# Altium PCB controller_esp8266.PcbDoc
Units mil, origin at the board's own origin, x right, y up, seen from the top; angles counter-clockwise.
Board outline 2755.91 x 1377.95 mil, 2 copper layers (Top Layer, Bottom Layer); 15 components, 17 nets, 72 pads, 0 vias.
Unrouted connection lines stored in the file: 28.
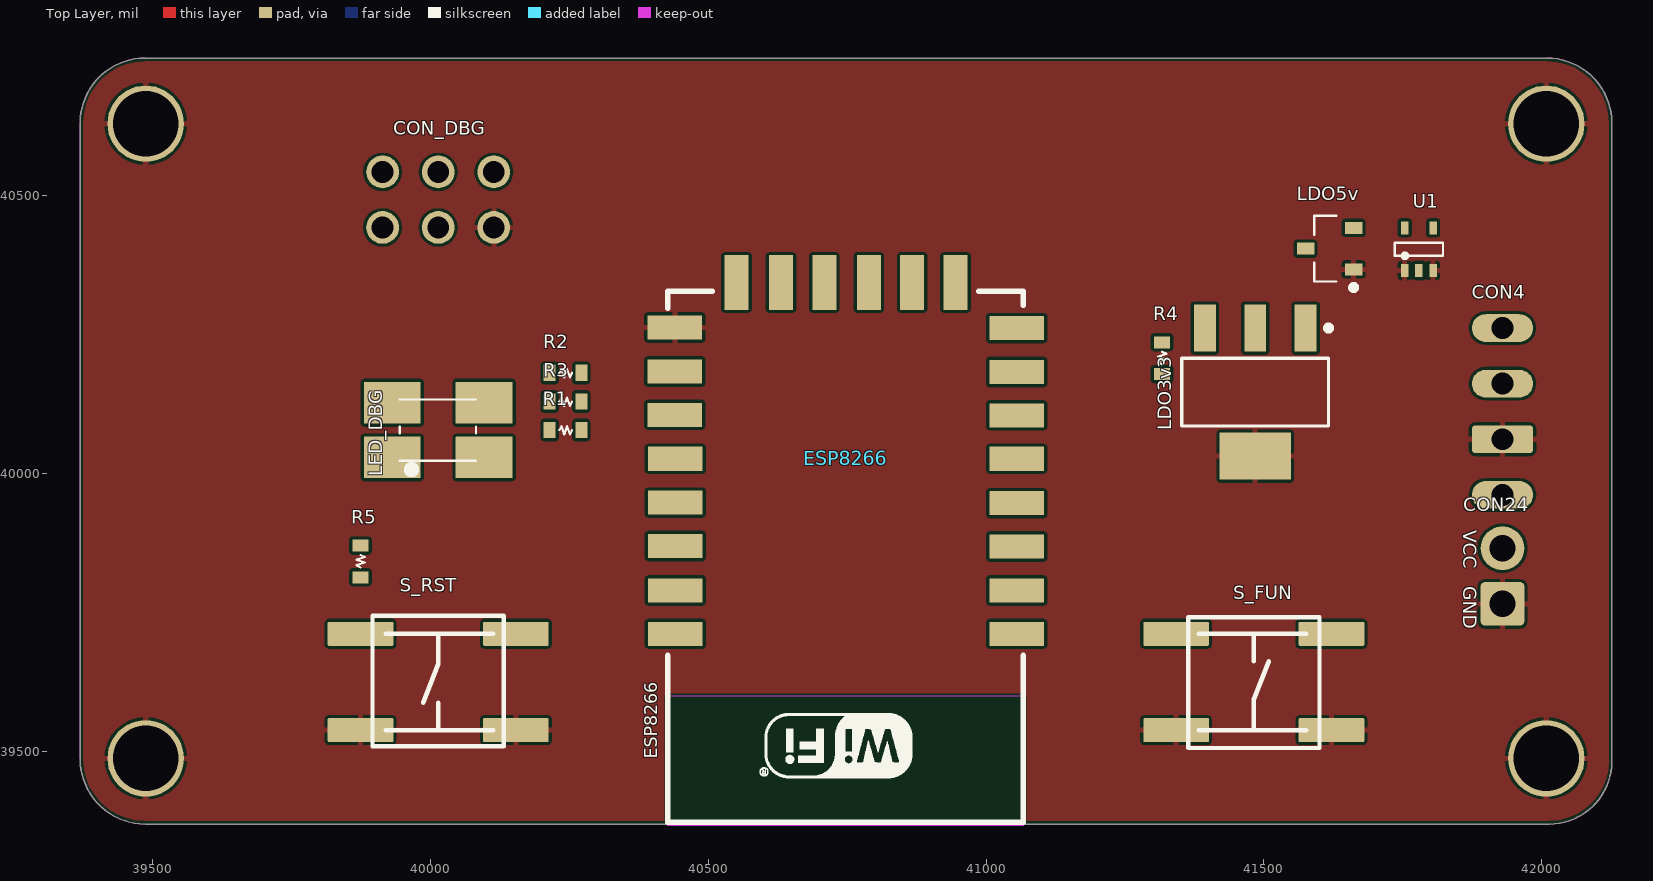
[diagram p0: Top Layer view]
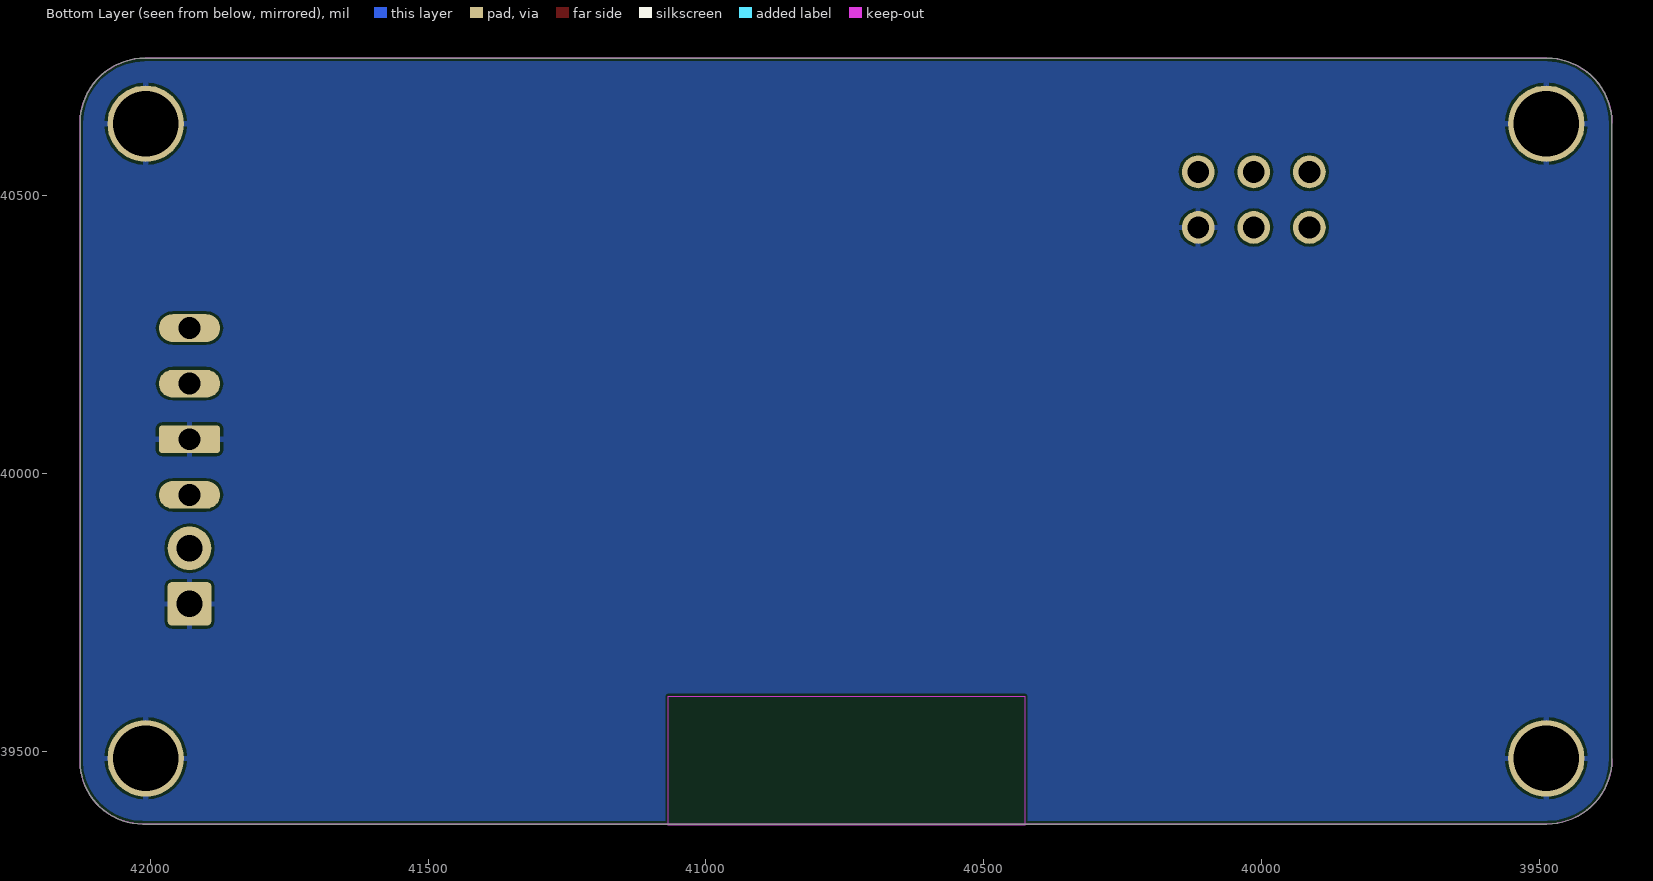
[diagram p1: Bottom Layer view, seen from below]

## Layer stack, top to bottom
Top Solder: solder mask 0.4, Solder Resist, Dk 3.5
Top Layer: signal copper 1.4
Dielectric 1: dielectric 12.6, FR-4, Dk 4.8
Bottom Layer: signal copper 1.4
Bottom Solder: solder mask 0.4, Solder Resist, Dk 3.5

## Board outline
39370.08,39487.19 39370.08,40630.92 cw(c39487.19,40630.92) 39487.19,40748.03 42008.87,40748.03 cw(c42008.87,40630.92) 42125.98,40630.92 42125.98,39482.99 cw(c42013.07,39482.99) 42013.07,39370.08 39487.19,39370.08 cw(c39487.19,39487.19)

## Design rules (kind name [scope] priority, off if disabled: settings)
Clearance [All] p1: gap=5
PlaneClearance [All] p1: clearance=5
PlaneConnect [All] p1: planeconnectstyle=Relief reliefexpansion=20 reliefentries=4 reliefconductorwidth=5 reliefairgap=5
PolygonConnect [All] p1: connectstyle=Relief reliefconductorwidth=10 reliefentries=4 polygonreliefangle="90 Angle" airgapwidth=5
RoutingVias [All] p1: holewidth=28 width=50 viastyle="Through Hole" minholewidth=28 minwidth=50 maxholewidth=28 maxwidth=50
SolderMaskExpansion [All] p1: expansion=4
Width [All] p1: maxlimit=50 minlimit=5 preferedwidth=5
28 further rules are at their usual default settings.

## Components (designator, comment, footprint, x,y, rotation, side; value= is the part's Value field where it differs from the comment)
CON4 "CON4" CONNECTOR 41929.13,40112.27 r90 top
CON24 "CON_PWR" CONPWR 41929.13,39866.14 r270 top
CON_DBG "CON6" CON2X3 40114.37,40543.31 r180 top
ESP8266 "ESP8266 ESP-12-E" "ESP8266 ESP-12-E" 40402.03,40358.27 r180 top
LDO3v3 "LDO_3V3" SOT230P700X180-4N 41484.25,40147.11 r270 top
LDO5v "LDO_5V" SOT23 41618.11,40405.15 r180 top
LED_DBG "dot marks common anode" PLCC-4 40014.37,40078.74 r90 top
R1 "470" RESC_0603_1608X08L 40243.24,40078.91 r0 top
R2 "Res2" RESC_0603_1608X08L 40243.24,40181.6 r0 top
R3 "470" RESC_0603_1608X08L 40243.24,40130.25 r0 top
R4 "Res2" RESC_0603_1608X08L 41316.59,40208.13 r90 top
R5 "Res2" RESC_0603_1608X08L 39874.61,39842.52 r90 top
S_FUN "4-1437565-1" FSM-SWITCH 41456.69,39604.75 r90 top
S_RST "4-1437565-1" FSM-SWITCH 40039.37,39646.56 r270 top
U1 "M74VHC1GT125" SC70-5 41778.77,40404.17 r90 top

## Footprints (in the part's own frame and the unit in brackets; to place one, negate y for a bottom-side part, rotate by r counter-clockwise, add the part's x,y. Pads: shape width x height; smd on the part's side, far side on the other; paste and mask are expansions set on the pad)
CON2X3 [mm] "2x3 2.54mm"
  round 1.5 hole 1 paste+0 mask+0: 1(0,0) 2(2.54,0) 3(5.08,0) 4(5.08,2.54) 5(2.54,2.54) 6(0,2.54)
CONNECTOR [mm]
  rrect100% 1.27x2.8 hole 1 paste+0: 1(-3.81,0) 3(1.27,0) 4(3.81,0)
  rrect25% 1.27x2.8 hole 1 paste+0: 2(-1.27,0)
CONPWR [mm]
  round 2 hole 1.2 paste+0: 1(0,0)
  rrect20% 2x2 hole 1.2 paste+0: 2(2.54,0)
"ESP8266 ESP-12-E" [mm] "ESP8266 ESP-12-E"
  rrect1% 2.5x1.1 smd: 1(-16.586,16.408) 2(-16.586,14.427) 3(-16.586,12.421) 4(-16.586,10.439) 5(-16.586,8.407) 6(-16.586,6.426) 7(-16.586,4.445) 8(-16.586,2.438) 15(-0.965,2.413) 16(-0.965,4.42) 17(-0.965,6.401) 18(-0.991,8.407) 19(-0.991,10.414) 20(-0.991,12.395) 21(-0.991,14.427) 22(-0.991,16.408)
  rrect1% 1.1x2.5 smd: 9(-13.792,0.356) 10(-11.811,0.356) 11(-9.83,0.356) 12(-7.798,0.356) 13(-5.817,0.356) 14(-3.785,0.356)
  silkscreen extent -16.89,0.76 -0.64,25.02, body extent -16.76,0.83 -0.76,24.83, height 3.17
FSM-SWITCH [mm]
  rrect10% 1.1x3 smd: 1(-1.669,-4.185) 2(2.731,-4.185) 3(-1.669,2.915) 4(2.731,2.915)
  silkscreen extent -2.49,-3.63 3.48,2.36, body extent -2.49,-5.63 3.51,4.37, height 5.07
PLCC-4 [mm] "LED"
  rrect1% 1.9x2.6 smd paste-10 mask-10: 1(-1.25,-2.1) 2(-1.25,2.1) 3(1.25,2.1) 4(1.25,-2.1)
  silkscreen extent -1.9,-1.73 1.4,1.78, body extent -1.4,-1.72 1.4,1.78, height 1.9
RESC_0603_1608X08L [mm] "Chip Resistor, 2-Leads, Body 1.60x0.80mm, IPC High Density"
  rrect1% 0.55x0.75 smd: 1(-0.725,0) 2(0.725,0)
  silkscreen extent -0.28,-0.2 0.3,0.18, body extent -0.8,-0.4 0.8,0.4, height 0.8
SC70-5 [mm] "SOT23, 5-Leads, Body 2.00x2.10mm, Pitch 0.65mm"
  rrect1% 0.6x0.35 smd: 1(-0.975,0.65) 2(-0.975,0) 3(-0.975,-0.65) 4(0.975,-0.65) 5(0.975,0.65)
  silkscreen extent -0.42,-1.1 0.3,1.1, body extent -1.2,-1.1 1.2,1.1, height 1.1
SOT23 [mm] "SOT23, 3-Leads, Body 2.90x2.45mm, Pitch 0.95mm, IPC High Density"
  rrect1% 0.8x0.55 smd: 1(-1.1,0.95) 2(-1.1,-0.95) 3(1.1,0)
  silkscreen extent -1.23,-1.5 0.7,1.9, body extent -1.3,-1.5 1.3,1.5, height 1.1
SOT230P700X180-4N [mm] "SOT223, 4-Leads, Body 6.50x7.00mm (avg), Pitch 2.30mm, IPC Medium Density"
  rrect1% 2.15x1 smd: 1(-2.925,2.3) 2(-2.925,0) 3(-2.925,-2.3)
  rrect1% 2.15x3.25 smd: 4(2.925,0)
  silkscreen extent -3.05,-3.35 1.55,3.48, body extent -3.5,-3.35 3.5,3.35, height 1.8

## Part data
CON4: "Header 4 way"
CON24: "Header 2 way"
CON_DBG: "Debug header 6 way"
LDO3v3: "3.3v LDO"
LDO5v: "5V LDO"
LED_DBG: library part RGB_LED, "RGB LEAD Common anode"
R1 R3: library part Res2, "Resistor"
R2 R4 R5: "Resistor"
S_FUN S_RST: "6x6mm SMD tactile switch,5mm H 1.6N Black Button Tactile Switch, SPST-NO 0.05 A@ 12 V dc 1.4mm"
U1: "Level shifter non inverting"

## Free pads (board coordinates)
  round 137.79 hole 118.11 unplated mask+0: 1(39488.19,39488.19) 1(39488.19,40629.92) 1(42007.87,39488.19) 1(42007.87,40629.92)

## Nets (pads, with @x,y where several pads share a name; then routed paths per layer and width w, separated by ;. In a path a pad name is that pad's centre, name@x,y a point inside that pad or via, vN(x,y) a via of type N, cw(c..) or ccw(c..) an arc to the next point about the centre after c; other vN are vias at no path point)
GND: CON4.2 CON24.2 CON_DBG.6 ESP8266.15 LDO3v3.4 LDO5v.1 pad.1 S_FUN.1 S_FUN.3 S_RST.2 S_RST.4 U1.1 U1.3
NetCON4_3: CON4.3 U1.4
NetCON_DBG_1: CON_DBG.1 ESP8266.1 R5.1 S_RST.1 S_RST.3
NetCON_DBG_2: CON_DBG.2 ESP8266.3 R4.1
NetCON_DBG_3: CON_DBG.3 ESP8266.22
NetCON_DBG_4: CON_DBG.4 ESP8266.21 U1.2
NetESP8266_4: ESP8266.4 R3.2
NetESP8266_11: ESP8266.11 S_FUN.2 S_FUN.4
NetESP8266_19: ESP8266.19 R2.2
NetESP8266_20: ESP8266.20 R1.2
NetLED_DBG_1: LED_DBG.1 R1.1
NetLED_DBG_3: LED_DBG.3 R2.1
NetLED_DBG_4: LED_DBG.4 R3.1
VCC3V3: CON_DBG.5 ESP8266.8 LDO3v3.3 LED_DBG.2 R4.2 R5.2
VCC5: LDO5v.2 U1.5
VCC5V9: CON4.4 LDO3v3.1 LDO3v3.2 LDO5v.3
VCC24: CON4.1 CON24.1
pads on no net: ESP8266.2 ESP8266.5 ESP8266.6 ESP8266.7 ESP8266.9 ESP8266.10 ESP8266.12 ESP8266.13 ESP8266.14 ESP8266.16 ESP8266.17 ESP8266.18

## Polygon pours and split planes (outlines as drawn)
GND on Top Layer "GND_TOP" (solid, remove dead copper, pour order 0): 39370.08,40748.03 42125.98,40748.03 42125.98,39370.08 39370.08,39370.08 39370.08,40748.03
GND on Bottom Layer "GND_BOTTOM" (solid, pour order 2): 39370.08,40748.03 42125.98,40748.03 42125.98,39370.08 39370.08,39370.08

## Keep-outs
Keep-Out Layer:
  rectangle: 40426.82,39368 41067.82,39600
  lines w1: 39370.08,39487.19 ccw(c39487.19,39487.19) 39487.19,39370.08 42013.07,39370.08 ccw(c42013.07,39482.99) 42125.98,39482.99 42125.98,40630.92 ccw(c42008.87,40630.92) 42008.87,40748.03 39487.19,40748.03 ccw(c39487.19,40630.92) 39370.08,40630.92 39370.08,39487.19

## Silkscreen, mask and mechanical layers (free items; w line width, h text height)
Mechanical 1:
  the board outline again, w1

## Text inside footprints (layer, text, board x,y; h text height)
CON24: Top Overlay "VCC" at 41858.13,39898.14 h24 r270; Top Overlay "GND" at 41858.13,39798.14 h24 r270
ESP8266: Mechanical 13 "CUTOUT POLYGON" at 41054.99,39417.68 h10 r180; Mechanical 13 "ANTENNA AREA" at 41054.99,39397.68 h10 r180